# KiCad board poly_kb_molecule_4x5.kicad_pcb (continued)
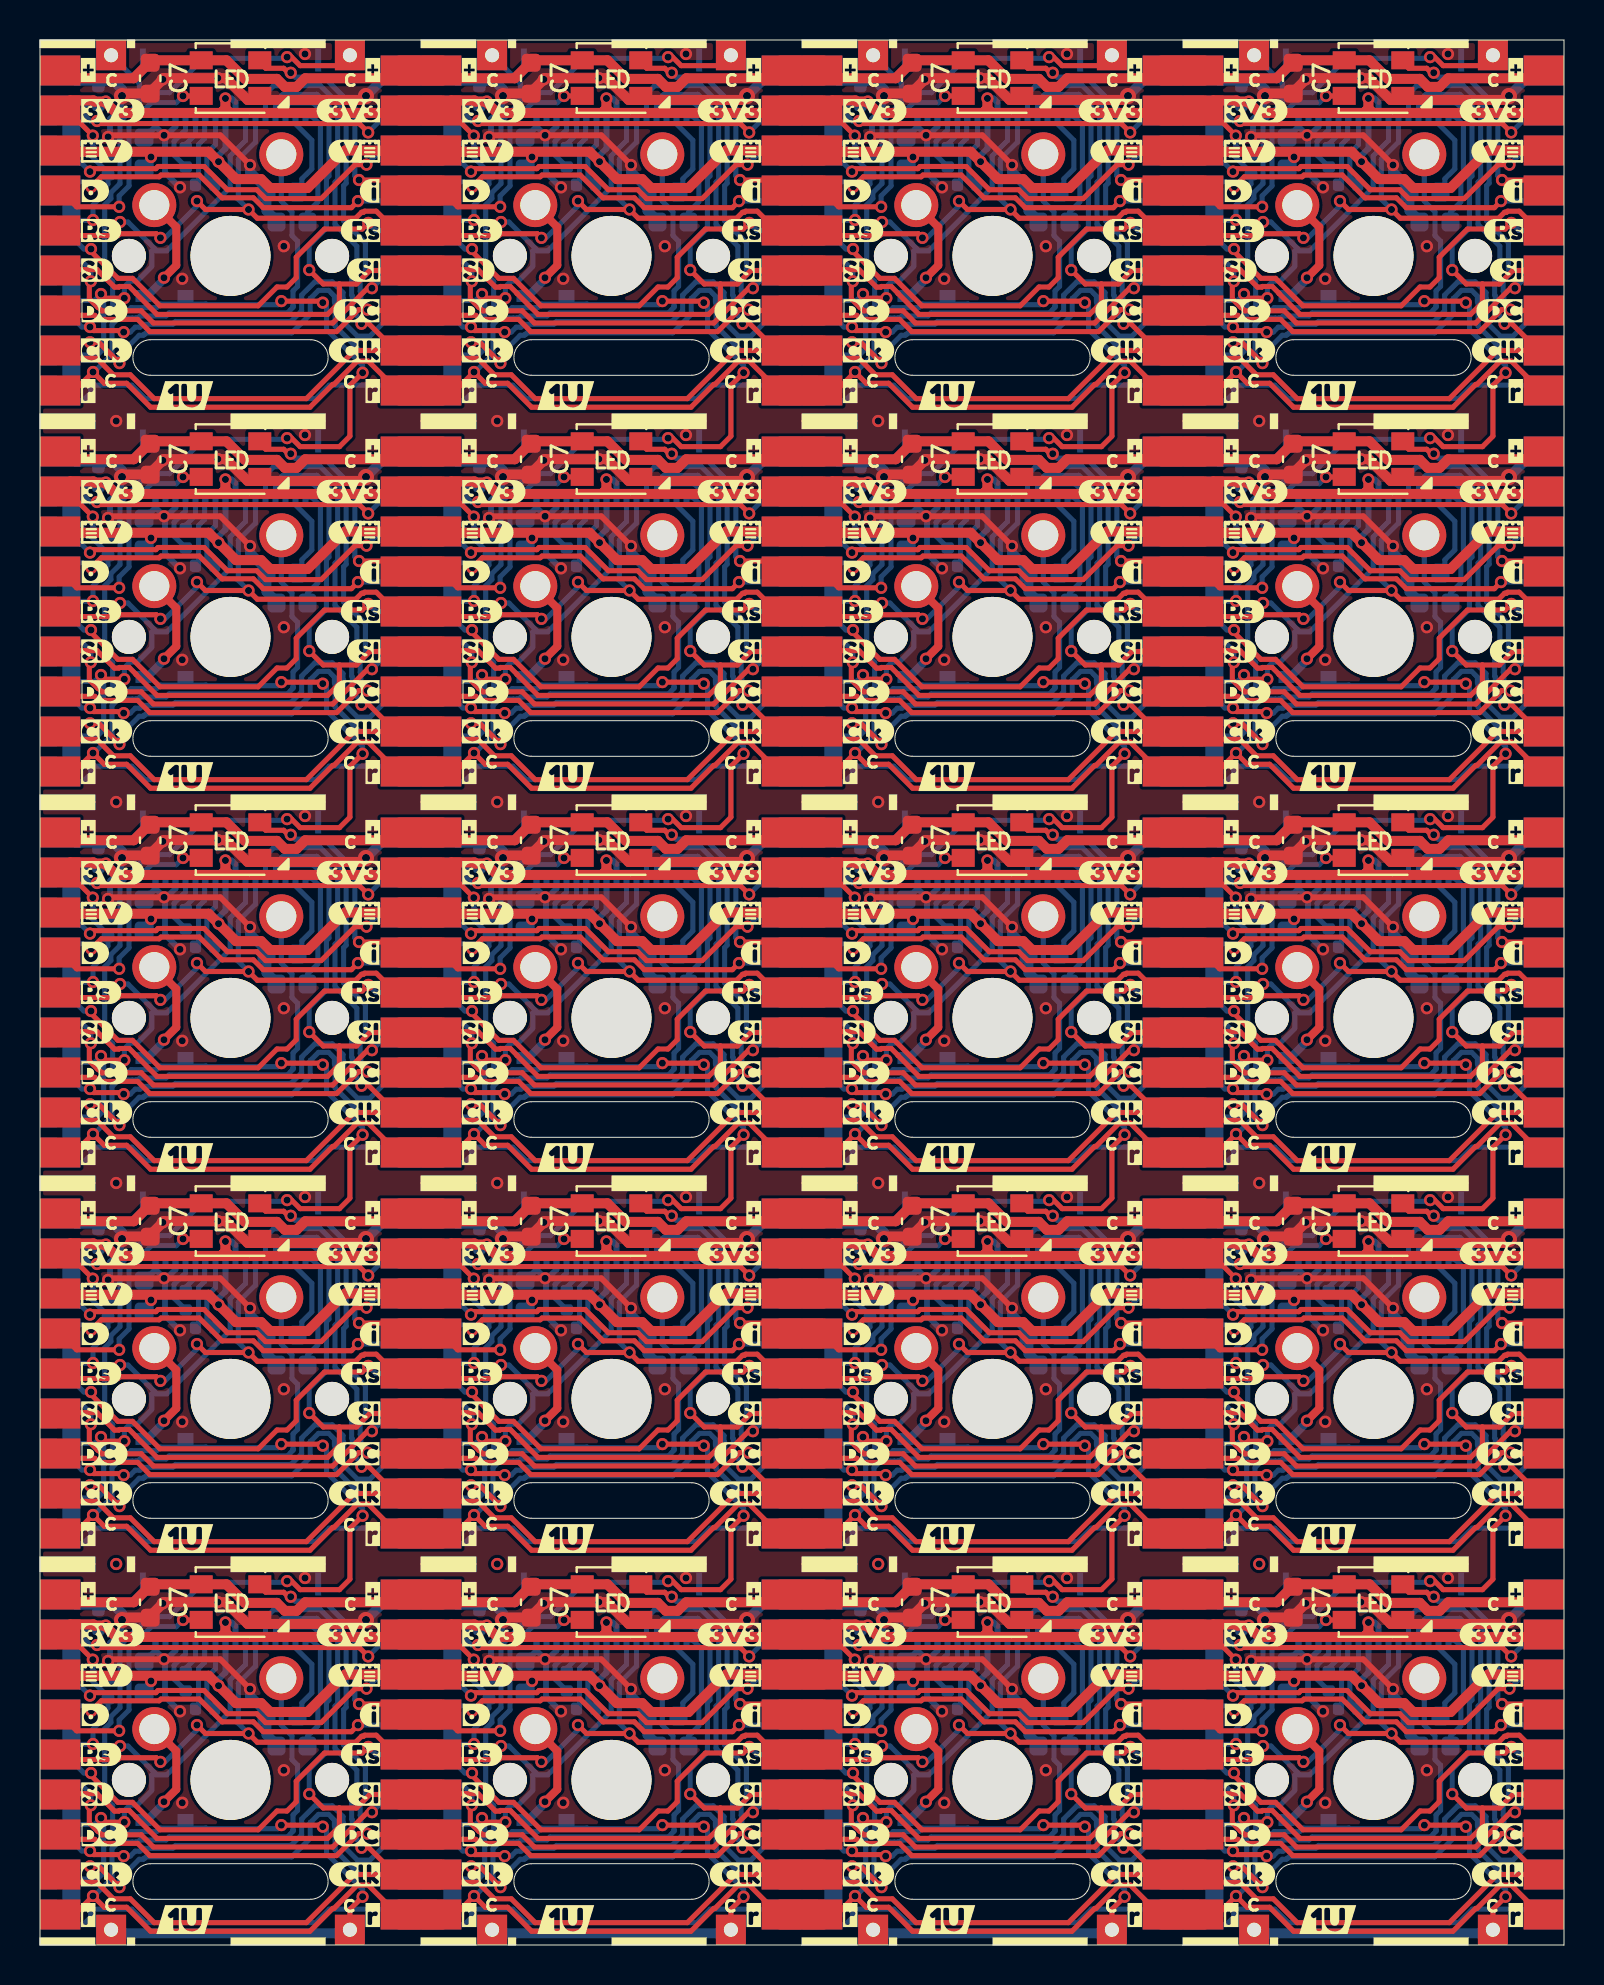
[diagram p0: board, top side]
## Routing (per net, layer and track width the routed paths; a pad name or vN(x,y) marks a point on that pad's centre or on a via; arc(x,y) is an arc through that point) (continued)
/Keyboard/sheet605ED2EB/SDIN: length 665.9
  Top w0.254: 39.37,26.58 39.41,26.62 40.95,26.62 41.82,25.74 42.04,25.74 42.08,25.78 42.56,25.78 42.9,25.44 42.9,25.43 43.95,24.38 52.48,24.38 53.07,24.97 53.07,25.9 ; 34.02,83.05 34.87,83.05 35.55,83.72 36.83,83.72 ; 34.02,83.05 33.21,83.05 v1(32.51,83.75) ; 34.02,83.05 34.02,82.12 33.43,81.53 24.9,81.53 23.85,82.58 23.85,82.59 23.51,82.93 23.03,82.93 22.99,82.89 22.77,82.89 21.9,83.77 20.36,83.77 20.32,83.72 ; 14.97,64 14.97,63.07 14.38,62.48 5.85,62.48 4.8,63.53 4.8,63.54 4.46,63.88 3.98,63.88 3.94,63.84 3.72,63.84 2.85,64.72 1.31,64.72 1.27,64.67 ; 14.97,64 15.82,64 16.5,64.67 17.78,64.67 ; 14.97,64 14.16,64 v1(13.46,64.7) ; 53.07,64 52.26,64 v1(51.56,64.7) ; 53.07,64 53.07,63.07 52.48,62.48 43.95,62.48 42.9,63.53 42.9,63.54 42.56,63.88 42.08,63.88 42.04,63.84 41.82,63.84 40.95,64.72 39.41,64.72 39.37,64.67 ; 53.07,64 53.92,64 54.6,64.67 55.88,64.67 ; 14.97,25.9 14.97,24.97 14.38,24.38 5.85,24.38 4.8,25.43 4.8,25.44 4.46,25.78 3.98,25.78 3.94,25.74 3.72,25.74 2.85,26.62 1.31,26.62 1.27,26.58 ; 14.97,25.9 14.16,25.9 v1(13.46,26.6) ; 14.97,25.9 15.82,25.9 16.5,26.58 17.78,26.58 ; 72.12,83.05 72.97,83.05 73.65,83.72 74.93,83.72 ; 72.12,83.05 71.31,83.05 v1(70.61,83.75) ; 72.12,83.05 72.12,82.12 71.53,81.53 63,81.53 61.95,82.58 61.95,82.59 61.61,82.93 61.13,82.93 61.09,82.89 60.87,82.89 60,83.77 58.46,83.77 58.42,83.72 ; 53.07,83.05 52.26,83.05 v1(51.56,83.75) ; 53.07,83.05 53.92,83.05 54.6,83.72 55.88,83.72 ; 53.07,83.05 53.07,82.12 52.48,81.53 43.95,81.53 42.9,82.58 42.9,82.59 42.56,82.93 42.08,82.93 42.04,82.89 41.82,82.89 40.95,83.77 39.41,83.77 39.37,83.72 ; v1(70.61,64.7) 71.31,64 72.12,64 ; 53.07,6.85 53.07,5.92 52.48,5.33 43.95,5.33 42.9,6.38 42.9,6.39 42.56,6.73 42.08,6.73 42.04,6.69 41.82,6.69 40.95,7.57 39.41,7.57 39.37,7.53 ; 53.07,6.85 53.92,6.85 54.6,7.53 55.88,7.53 ; 53.07,6.85 52.26,6.85 v1(51.56,7.55) ; v1(70.61,45.65) 71.31,44.95 72.12,44.95 ; 74.93,64.67 73.65,64.67 72.97,64 72.12,64 ; 53.07,25.9 53.92,25.9 54.6,26.58 55.88,26.58 ; 53.07,25.9 52.26,25.9 v1(51.56,26.6) ; 17.78,7.53 16.5,7.53 15.82,6.85 14.97,6.85 ; 72.12,44.95 72.12,44.02 71.53,43.43 63,43.43 61.95,44.48 61.95,44.49 61.61,44.83 61.13,44.83 61.09,44.79 60.87,44.79 60,45.67 58.46,45.67 58.42,45.62 ; 72.12,44.95 72.97,44.95 73.65,45.62 74.93,45.62 ; v1(32.51,64.7) 33.21,64 34.02,64 ; 36.83,45.62 35.55,45.62 34.87,44.95 34.02,44.95 ; 34.02,6.85 33.21,6.85 v1(32.51,7.55) ; 34.02,6.85 34.02,5.92 33.43,5.33 24.9,5.33 23.85,6.38 23.85,6.39 23.51,6.73 23.03,6.73 22.99,6.69 22.77,6.69 21.9,7.57 20.36,7.57 20.32,7.53 ; 34.02,6.85 34.87,6.85 35.55,7.53 36.83,7.53 ; v1(70.61,7.55) 71.31,6.85 72.12,6.85 ; 72.12,25.9 72.12,24.97 71.53,24.38 63,24.38 61.95,25.43 61.95,25.44 61.61,25.78 61.13,25.78 61.09,25.74 60.87,25.74 60,26.62 58.46,26.62 58.42,26.58 ; 72.12,25.9 72.97,25.9 73.65,26.58 74.93,26.58 ; 72.12,25.9 71.31,25.9 v1(70.61,26.6) ; 39.37,45.62 39.41,45.67 40.95,45.67 41.82,44.79 42.04,44.79 42.08,44.83 42.56,44.83 42.9,44.49 42.9,44.48 43.95,43.43 52.48,43.43 53.07,44.02 53.07,44.95 ; 14.97,6.85 14.97,5.92 14.38,5.33 5.85,5.33 4.8,6.38 4.8,6.39 4.46,6.73 3.98,6.73 3.94,6.69 3.72,6.69 2.85,7.57 1.31,7.57 1.27,7.53 ; 14.97,6.85 14.16,6.85 v1(13.46,7.55) ; 20.32,26.58 20.36,26.62 21.9,26.62 22.77,25.74 22.99,25.74 23.03,25.78 23.51,25.78 23.85,25.44 23.85,25.43 24.9,24.38 33.43,24.38 34.02,24.97 34.02,25.9 ; 34.02,64 34.87,64 35.55,64.67 36.83,64.67 ; 34.02,64 34.02,63.07 33.43,62.48 24.9,62.48 23.85,63.53 23.85,63.54 23.51,63.88 23.03,63.88 22.99,63.84 22.77,63.84 21.9,64.72 20.36,64.72 20.32,64.67 ; 53.07,44.95 52.26,44.95 v1(51.56,45.65) ; 53.07,44.95 53.92,44.95 54.6,45.62 55.88,45.62 ; 58.42,7.53 58.46,7.57 60,7.57 60.87,6.69 61.09,6.69 61.13,6.73 61.61,6.73 61.95,6.39 61.95,6.38 63,5.33 71.53,5.33 72.12,5.92 72.12,6.85 ; 34.02,25.9 34.87,25.9 35.55,26.58 36.83,26.58 ; 34.02,25.9 33.21,25.9 v1(32.51,26.6) ; 17.78,83.72 16.5,83.72 15.82,83.05 14.97,83.05 ; v1(13.46,83.75) 14.16,83.05 14.97,83.05 ; 1.27,83.72 1.31,83.77 2.85,83.77 3.72,82.89 3.94,82.89 3.98,82.93 4.46,82.93 4.8,82.59 4.8,82.58 5.85,81.53 14.38,81.53 14.97,82.12 14.97,83.05 ; 1.27,45.62 1.31,45.67 2.85,45.67 3.72,44.79 3.94,44.79 3.98,44.83 4.46,44.83 4.8,44.49 4.8,44.48 5.85,43.43 14.38,43.43 14.97,44.02 14.97,44.95 ; 72.12,6.85 72.97,6.85 73.65,7.53 74.93,7.53 ; 72.12,64 72.12,63.07 71.53,62.48 63,62.48 61.95,63.53 61.95,63.54 61.61,63.88 61.13,63.88 61.09,63.84 60.87,63.84 60,64.72 58.46,64.72 58.42,64.67 ; 34.02,44.95 33.21,44.95 v1(32.51,45.65) ; 34.02,44.95 34.02,44.02 33.43,43.43 24.9,43.43 23.85,44.48 23.85,44.49 23.51,44.83 23.03,44.83 22.99,44.79 22.77,44.79 21.9,45.67 20.36,45.67 20.32,45.62 ; 14.97,44.95 14.16,44.95 v1(13.46,45.65) ; 14.97,44.95 15.82,44.95 16.5,45.62 17.78,45.62
  Top w1.5: J3#13.6 J4#2.6 ; J3#20.6 J4#19.6 ; J4#9.6 J3#3.6 ; J3#15.6 J4#18.6 ; J4#15.6 J3#17.6 ; J4#20.6 J3#19.6 ; J4#8.6 J3#18.6 ; J4#4.6 J3#14.6 ; J3#12.6 J4#13.6 ; J3#5.6 J4#10.6 ; J4#12.6 J3#6.6 ; J4#17.6 J3#9.6 ; J4#5.6 J3#2.6 ; J4.6 J3#11.6 ; J4#16.6 J3#7.6
  Bottom w0.254: J1#17.14 69.42,72.87 69.61,73.05 70.81,73.05 71.6,72.27 71.6,69.4 71.47,69.27 71.47,66.79 70.61,65.93 v1(70.61,64.7) ; v1(13.46,26.6) 13.46,27.83 14.32,28.69 14.32,31.17 14.45,31.3 14.45,34.17 13.66,34.95 12.46,34.95 12.27,34.77 J1#5.14 ; v1(32.51,26.6) 32.51,27.83 33.37,28.69 33.37,31.17 33.5,31.3 33.5,34.17 32.71,34.95 31.51,34.95 31.33,34.77 J1#2.14 ; J1#18.14 50.38,34.77 50.56,34.95 51.76,34.95 52.55,34.17 52.55,31.3 52.42,31.17 52.42,28.69 51.56,27.83 v1(51.56,26.6) ; J1#15.14 69.42,15.72 69.61,15.9 70.81,15.9 71.6,15.12 71.6,12.25 71.47,12.12 71.47,9.64 70.61,8.78 v1(70.61,7.55) ; J1#12.14 31.33,53.82 31.51,54 32.71,54 33.5,53.22 33.5,50.35 33.37,50.22 33.37,47.74 32.51,46.88 v1(32.51,45.65) ; v1(51.56,7.55) 51.56,8.78 52.42,9.64 52.42,12.12 52.55,12.25 52.55,15.12 51.76,15.9 50.56,15.9 50.38,15.72 J1#14.14 ; v1(70.61,45.65) 70.61,46.88 71.47,47.74 71.47,50.22 71.6,50.35 71.6,53.22 70.81,54 69.61,54 69.42,53.82 J1#19.14 ; J1#16.14 31.33,72.87 31.51,73.05 32.71,73.05 33.5,72.27 33.5,69.4 33.37,69.27 33.37,66.79 32.51,65.93 v1(32.51,64.7) ; J1#4.14 50.38,72.87 50.56,73.05 51.76,73.05 52.55,72.27 52.55,69.4 52.42,69.27 52.42,66.79 51.56,65.93 v1(51.56,64.7) ; v1(32.51,83.75) 32.51,84.98 33.37,85.84 33.37,88.32 33.5,88.45 33.5,91.32 32.71,92.1 31.51,92.1 31.33,91.92 J1#13.14 ; v1(51.56,83.75) 51.56,84.98 52.42,85.84 52.42,88.32 52.55,88.45 52.55,91.32 51.76,92.1 50.56,92.1 50.38,91.92 J1#7.14 ; v1(51.56,45.65) 51.56,46.88 52.42,47.74 52.42,50.22 52.55,50.35 52.55,53.22 51.76,54 50.56,54 50.38,53.82 J1#8.14 ; J1#20.14 12.27,72.87 12.46,73.05 13.66,73.05 14.45,72.27 14.45,69.4 14.32,69.27 14.32,66.79 13.46,65.93 v1(13.46,64.7) ; v1(70.61,83.75) 70.61,84.98 71.47,85.84 71.47,88.32 71.6,88.45 71.6,91.32 70.81,92.1 69.61,92.1 69.42,91.92 J1#10.14 ; J1#9.14 31.33,15.72 31.51,15.9 32.71,15.9 33.5,15.12 33.5,12.25 33.37,12.12 33.37,9.64 32.51,8.78 v1(32.51,7.55) ; J1#3.14 69.42,34.77 69.61,34.95 70.81,34.95 71.6,34.17 71.6,31.3 71.47,31.17 71.47,28.69 70.61,27.83 v1(70.61,26.6) ; J1.14 12.27,91.92 12.46,92.1 13.66,92.1 14.45,91.32 14.45,88.45 14.32,88.32 14.32,85.84 13.46,84.98 v1(13.46,83.75) ; v1(13.46,7.55) 13.46,8.78 14.32,9.64 14.32,12.12 14.45,12.25 14.45,15.12 13.66,15.9 12.46,15.9 12.27,15.72 J1#11.14 ; v1(13.46,45.65) 13.46,46.88 14.32,47.74 14.32,50.22 14.45,50.35 14.45,53.22 13.66,54 12.46,54 12.27,53.82 J1#6.14
CS1: length 385.2
  Top w0.254: v1(21.9,91.2) 22.03,91.07 35.01,91.07 v1(35.46,90.63) ; v1(54.51,90.63) 54.06,91.07 41.08,91.07 v1(40.95,91.2) ; v1(35.46,14.43) 35.01,14.87 22.03,14.87 v1(21.9,15) ; v1(35.46,33.48) 35.01,33.92 22.03,33.92 v1(21.9,34.05) ; v1(60,34.05) 60.13,33.92 73.11,33.92 v1(73.56,33.48) ; v1(60,91.2) 60.13,91.07 73.11,91.07 v1(73.56,90.63) ; v1(35.46,71.58) 35.01,72.02 22.03,72.02 v1(21.9,72.15) ; v1(73.56,52.53) 73.11,52.97 60.13,52.97 v1(60,53.1) ; v1(2.85,53.1) 2.98,52.97 15.96,52.97 v1(16.41,52.53) ; v1(21.9,53.1) 22.03,52.97 35.01,52.97 v1(35.46,52.53) ; v1(73.56,14.43) 73.11,14.87 60.13,14.87 v1(60,15) ; v1(54.51,71.58) 54.06,72.02 41.08,72.02 v1(40.95,72.15) ; v1(16.41,14.43) 15.96,14.87 2.98,14.87 v1(2.85,15) ; v1(16.41,71.58) 15.96,72.02 2.98,72.02 v1(2.85,72.15) ; v1(54.51,52.53) 54.06,52.97 41.08,52.97 v1(40.95,53.1) ; v1(16.41,33.48) 15.96,33.92 2.98,33.92 v1(2.85,34.05) ; v1(54.51,33.48) 54.06,33.92 41.08,33.92 v1(40.95,34.05) ; v1(54.51,14.43) 54.06,14.87 41.08,14.87 v1(40.95,15) ; v1(2.85,91.2) 2.98,91.07 15.96,91.07 v1(16.41,90.63) ; v1(60,72.15) 60.13,72.02 73.11,72.02 v1(73.56,71.58)
  Bottom w0.254: v1(54.51,90.63) 55.61,91.72 55.88,91.72 ; 17.78,15.53 17.51,15.53 v1(16.41,14.43) ; 20.32,15.53 20.75,15.96 21.18,15.96 21.37,15.77 21.37,15.2 21.57,15 v1(21.9,15) ; 1.27,15.53 1.7,15.96 2.13,15.96 2.32,15.77 2.32,15.2 2.52,15 v1(2.85,15) ; v1(60,15) 59.67,15 59.47,15.2 59.47,15.77 59.28,15.96 58.85,15.96 58.42,15.53 ; v1(60,53.1) 59.67,53.1 59.47,53.3 59.47,53.87 59.28,54.06 58.85,54.06 58.42,53.62 ; 74.93,34.58 74.66,34.58 v1(73.56,33.48) ; 74.93,72.67 74.66,72.67 v1(73.56,71.58) ; 1.27,53.62 1.7,54.06 2.13,54.06 2.32,53.87 2.32,53.3 2.52,53.1 v1(2.85,53.1) ; 39.37,15.53 39.8,15.96 40.23,15.96 40.42,15.77 40.42,15.2 40.62,15 v1(40.95,15) ; 17.78,91.72 17.51,91.72 v1(16.41,90.63) ; v1(40.95,91.2) 40.62,91.2 40.42,91.4 40.42,91.97 40.23,92.16 39.8,92.16 39.37,91.72 ; 55.88,72.67 55.61,72.67 v1(54.51,71.58) ; v1(73.56,90.63) 74.66,91.72 74.93,91.72 ; v1(73.56,52.53) 74.66,53.62 74.93,53.62 ; v1(16.41,52.53) 17.51,53.62 17.78,53.62 ; v1(40.95,53.1) 40.62,53.1 40.42,53.3 40.42,53.87 40.23,54.06 39.8,54.06 39.37,53.62 ; 55.88,15.53 55.61,15.53 v1(54.51,14.43) ; v1(60,91.2) 59.67,91.2 59.47,91.4 59.47,91.97 59.28,92.16 58.85,92.16 58.42,91.72 ; v1(73.56,14.43) 74.66,15.53 74.93,15.53 ; v1(54.51,52.53) 55.61,53.62 55.88,53.62 ; 58.42,34.58 58.85,35.01 59.28,35.01 59.47,34.82 59.47,34.25 59.67,34.05 v1(60,34.05) ; v1(35.46,33.48) 36.56,34.58 36.83,34.58 ; v1(21.9,91.2) 21.57,91.2 21.37,91.4 21.37,91.97 21.18,92.16 20.75,92.16 20.32,91.72 ; v1(60,72.15) 59.67,72.15 59.47,72.35 59.47,72.92 59.28,73.11 58.85,73.11 58.42,72.67 ; v1(16.41,33.48) 17.51,34.58 17.78,34.58 ; v1(2.85,34.05) 2.52,34.05 2.32,34.25 2.32,34.82 2.13,35.01 1.7,35.01 1.27,34.58 ; v1(21.9,72.15) 21.57,72.15 21.37,72.35 21.37,72.92 21.18,73.11 20.75,73.11 20.32,72.67 ; v1(35.46,71.58) 36.56,72.67 36.83,72.67 ; v1(35.46,52.53) 36.56,53.62 36.83,53.62 ; v1(54.51,33.48) 55.61,34.58 55.88,34.58 ; 36.83,15.53 36.56,15.53 v1(35.46,14.43) ; v1(21.9,34.05) 21.57,34.05 21.37,34.25 21.37,34.82 21.18,35.01 20.75,35.01 20.32,34.58 ; 20.32,53.62 20.75,54.06 21.18,54.06 21.37,53.87 21.37,53.3 21.57,53.1 v1(21.9,53.1) ; v1(35.46,90.63) 36.56,91.72 36.83,91.72 ; 17.78,72.67 17.51,72.67 v1(16.41,71.58) ; v1(2.85,91.2) 2.52,91.2 2.32,91.4 2.32,91.97 2.13,92.16 1.7,92.16 1.27,91.72 ; 39.37,72.67 39.8,73.11 40.23,73.11 40.42,72.92 40.42,72.35 40.62,72.15 v1(40.95,72.15) ; 39.37,34.58 39.8,35.01 40.23,35.01 40.42,34.82 40.42,34.25 40.62,34.05 v1(40.95,34.05) ; v1(2.85,72.15) 2.52,72.15 2.32,72.35 2.32,72.92 2.13,73.11 1.7,73.11 1.27,72.67
  Bottom w1.5: J6#14.2 J5#6.2 ; J6#19.2 J5#20.2 ; J6#20.2 J5#10.2 ; J6#2.2 J5#18.2 ; J6#4.2 J5#5.2 ; J6#17.2 J5#19.2 ; J6.2 J5#16.2 ; J6#18.2 J5#9.2 ; J6#16.2 J5#7.2 ; J6#11.2 J5#8.2 ; J6#6.2 J5#15.2 ; J6#3.2 J5#2.2 ; J6#15.2 J5#4.2 ; J6#9.2 J5#14.2 ; J6#10.2 J5#13.2
CS2: length 377.5
  Top w0.254: v1(73.47,50.92) 72.91,50.92 71.21,49.22 68.43,49.22 67.99,49.66 66.51,49.66 65.35,50.83 63.05,50.83 62.94,50.72 59.79,50.72 v1(59.65,50.57) ; v1(59.65,12.47) 59.79,12.62 62.94,12.62 63.05,12.73 65.35,12.73 66.51,11.56 67.99,11.56 68.43,11.12 71.21,11.12 72.91,12.82 v1(73.47,12.82) ; v1(54.42,69.97) 53.86,69.97 52.16,68.27 49.38,68.27 48.94,68.71 47.46,68.71 46.3,69.88 44,69.88 43.89,69.77 40.74,69.77 v1(40.6,69.62) ; v1(35.37,89.02) 34.81,89.02 33.11,87.32 30.33,87.32 29.89,87.76 28.41,87.76 27.25,88.93 24.95,88.93 24.84,88.82 21.69,88.82 v1(21.55,88.67) ; v1(2.5,12.47) 2.64,12.62 5.79,12.62 5.9,12.73 8.2,12.73 9.36,11.56 10.84,11.56 11.28,11.12 14.06,11.12 15.76,12.82 v1(16.32,12.82) ; v1(59.65,69.62) 59.79,69.77 62.94,69.77 63.05,69.88 65.35,69.88 66.51,68.71 67.99,68.71 68.43,68.27 71.21,68.27 72.91,69.97 v1(73.47,69.97) ; v1(16.32,31.87) 15.76,31.87 14.06,30.17 11.28,30.17 10.84,30.61 9.36,30.61 8.2,31.78 5.9,31.78 5.79,31.67 2.64,31.67 v1(2.5,31.52) ; v1(73.47,31.87) 72.91,31.87 71.21,30.17 68.43,30.17 67.99,30.61 66.51,30.61 65.35,31.78 63.05,31.78 62.94,31.67 59.79,31.67 v1(59.65,31.52) ; v1(59.65,88.67) 59.79,88.82 62.94,88.82 63.05,88.93 65.35,88.93 66.51,87.76 67.99,87.76 68.43,87.32 71.21,87.32 72.91,89.02 v1(73.47,89.02) ; v1(2.5,69.62) 2.64,69.77 5.79,69.77 5.9,69.88 8.2,69.88 9.36,68.71 10.84,68.71 11.28,68.27 14.06,68.27 15.76,69.97 v1(16.32,69.97) ; v1(40.6,50.57) 40.74,50.72 43.89,50.72 44,50.83 46.3,50.83 47.46,49.66 48.94,49.66 49.38,49.22 52.16,49.22 53.86,50.92 v1(54.42,50.92) ; v1(21.55,50.57) 21.69,50.72 24.84,50.72 24.95,50.83 27.25,50.83 28.41,49.66 29.89,49.66 30.33,49.22 33.11,49.22 34.81,50.92 v1(35.37,50.92) ; v1(2.5,88.67) 2.64,88.82 5.79,88.82 5.9,88.93 8.2,88.93 9.36,87.76 10.84,87.76 11.28,87.32 14.06,87.32 15.76,89.02 v1(16.32,89.02) ; v1(35.37,69.97) 34.81,69.97 33.11,68.27 30.33,68.27 29.89,68.71 28.41,68.71 27.25,69.88 24.95,69.88 24.84,69.77 21.69,69.77 v1(21.55,69.62) ; v1(40.6,31.52) 40.74,31.67 43.89,31.67 44,31.78 46.3,31.78 47.46,30.61 48.94,30.61 49.38,30.17 52.16,30.17 53.86,31.87 v1(54.42,31.87) ; v1(40.6,12.47) 40.74,12.62 43.89,12.62 44,12.73 46.3,12.73 47.46,11.56 48.94,11.56 49.38,11.12 52.16,11.12 53.86,12.82 v1(54.42,12.82) ; v1(16.32,50.92) 15.76,50.92 14.06,49.22 11.28,49.22 10.84,49.66 9.36,49.66 8.2,50.83 5.9,50.83 5.79,50.72 2.64,50.72 v1(2.5,50.57) ; v1(21.55,12.47) 21.69,12.62 24.84,12.62 24.95,12.73 27.25,12.73 28.41,11.56 29.89,11.56 30.33,11.12 33.11,11.12 34.81,12.82 v1(35.37,12.82) ; v1(35.37,31.87) 34.81,31.87 33.11,30.17 30.33,30.17 29.89,30.61 28.41,30.61 27.25,31.78 24.95,31.78 24.84,31.67 21.69,31.67 v1(21.55,31.52) ; v1(54.42,89.02) 53.86,89.02 52.16,87.32 49.38,87.32 48.94,87.76 47.46,87.76 46.3,88.93 44,88.93 43.89,88.82 40.74,88.82 v1(40.6,88.67)
  Bottom w0.254: v1(59.65,88.67) 59.22,89.1 59.15,89.1 ; 17.78,13.53 17.03,13.53 v1(16.32,12.82) ; v1(35.37,31.87) 36.08,32.58 36.83,32.58 ; 74.93,51.62 74.18,51.62 v1(73.47,50.92) ; 55.88,89.72 55.13,89.72 v1(54.42,89.02) ; 55.88,13.53 55.13,13.53 v1(54.42,12.82) ; v1(73.47,31.87) 74.18,32.58 74.93,32.58 ; v1(21.55,50.57) 21.12,51 21.05,51 ; v1(16.32,89.02) 17.03,89.72 17.78,89.72 ; v1(21.55,69.62) 21.12,70.05 21.05,70.05 ; 36.83,89.72 36.08,89.72 v1(35.37,89.02) ; v1(2.5,50.57) 2.07,51 2,51 ; v1(73.47,12.82) 74.18,13.53 74.93,13.53 ; 21.05,89.1 21.12,89.1 v1(21.55,88.67) ; v1(40.6,12.47) 40.17,12.9 40.1,12.9 ; v1(16.32,31.87) 17.03,32.58 17.78,32.58 ; v1(54.42,31.87) 55.13,32.58 55.88,32.58 ; v1(40.6,69.62) 40.17,70.05 40.1,70.05 ; 40.1,89.1 40.17,89.1 v1(40.6,88.67) ; 21.05,12.9 21.12,12.9 v1(21.55,12.47) ; 36.83,13.53 36.08,13.53 v1(35.37,12.82) ; 40.1,31.95 40.17,31.95 v1(40.6,31.52) ; v1(59.65,31.52) 59.22,31.95 59.15,31.95 ; 55.88,51.62 55.13,51.62 v1(54.42,50.92) ; 2,12.9 2.07,12.9 v1(2.5,12.47) ; v1(73.47,89.02) 74.18,89.72 74.93,89.72 ; v1(35.37,50.92) 36.08,51.62 36.83,51.62 ; v1(2.5,31.52) 2.07,31.95 2,31.95 ; v1(2.5,88.67) 2.07,89.1 2,89.1 ; v1(59.65,12.47) 59.22,12.9 59.15,12.9 ; v1(40.6,50.57) 40.17,51 40.1,51 ; 55.88,70.67 55.13,70.67 v1(54.42,69.97) ; v1(35.37,69.97) 36.08,70.67 36.83,70.67 ; 59.15,70.05 59.22,70.05 v1(59.65,69.62) ; v1(16.32,50.92) 17.03,51.62 17.78,51.62 ; 17.78,70.67 17.03,70.67 v1(16.32,69.97) ; v1(2.5,69.62) 2.07,70.05 2,70.05 ; v1(73.47,69.97) 74.18,70.67 74.93,70.67 ; v1(21.55,31.52) 21.12,31.95 21.05,31.95 ; 59.15,51 59.22,51 v1(59.65,50.57)
  Bottom w1.5: J6#11.3 J5#8.3 ; J6#15.3 J5#4.3 ; J6#10.3 J5#13.3 ; J6#9.3 J5#14.3 ; J6#16.3 J5#7.3 ; J6#19.3 J5#20.3 ; J6#18.3 J5#9.3 ; J6.3 J5#16.3 ; J6#3.3 J5#2.3 ; J6#17.3 J5#19.3 ; J6#4.3 J5#5.3 ; J6#6.3 J5#15.3 ; J6#2.3 J5#18.3 ; J6#20.3 J5#10.3 ; J6#14.3 J5#6.3
CS3: length 400.4
  Top w0.254: v1(59.72,49.81) 60.22,50.31 63.11,50.31 63.2,50.4 65.12,50.4 66.25,49.26 67.82,49.26 68.31,48.77 72.72,48.77 v1(73.05,49.1) ; v1(59.72,87.91) 60.22,88.41 63.11,88.41 63.2,88.5 65.12,88.5 66.25,87.36 67.82,87.36 68.31,86.87 72.72,86.87 v1(73.05,87.2) ; v1(15.9,49.1) 15.57,48.77 11.16,48.77 10.67,49.26 9.1,49.26 7.97,50.4 6.05,50.4 5.96,50.31 3.07,50.31 v1(2.57,49.81) ; v1(34.95,87.2) 34.62,86.87 30.21,86.87 29.72,87.36 28.15,87.36 27.02,88.5 25.1,88.5 25.01,88.41 22.12,88.41 v1(21.62,87.91) ; v1(34.95,49.1) 34.62,48.77 30.21,48.77 29.72,49.26 28.15,49.26 27.02,50.4 25.1,50.4 25.01,50.31 22.12,50.31 v1(21.62,49.81) ; v1(15.9,68.15) 15.57,67.82 11.16,67.82 10.67,68.31 9.1,68.31 7.97,69.45 6.05,69.45 5.96,69.36 3.07,69.36 v1(2.57,68.86) ; v1(34.95,68.15) 34.62,67.82 30.21,67.82 29.72,68.31 28.15,68.31 27.02,69.45 25.1,69.45 25.01,69.36 22.12,69.36 v1(21.62,68.86) ; v1(40.67,30.76) 41.17,31.26 44.06,31.26 44.15,31.35 46.07,31.35 47.2,30.21 48.77,30.21 49.26,29.72 53.67,29.72 v1(54,30.05) ; v1(54,11) 53.67,10.67 49.26,10.67 48.77,11.16 47.2,11.16 46.07,12.3 44.15,12.3 44.06,12.21 41.17,12.21 v1(40.67,11.71) ; v1(73.05,11) 72.72,10.67 68.31,10.67 67.82,11.16 66.25,11.16 65.12,12.3 63.2,12.3 63.11,12.21 60.22,12.21 v1(59.72,11.71) ; v1(40.67,68.86) 41.17,69.36 44.06,69.36 44.15,69.45 46.07,69.45 47.2,68.31 48.77,68.31 49.26,67.82 53.67,67.82 v1(54,68.15) ; v1(73.05,30.05) 72.72,29.72 68.31,29.72 67.82,30.21 66.25,30.21 65.12,31.35 63.2,31.35 63.11,31.26 60.22,31.26 v1(59.72,30.76) ; v1(40.67,87.91) 41.17,88.41 44.06,88.41 44.15,88.5 46.07,88.5 47.2,87.36 48.77,87.36 49.26,86.87 53.67,86.87 v1(54,87.2) ; v1(34.95,30.05) 34.62,29.72 30.21,29.72 29.72,30.21 28.15,30.21 27.02,31.35 25.1,31.35 25.01,31.26 22.12,31.26 v1(21.62,30.76) ; v1(73.05,68.15) 72.72,67.82 68.31,67.82 67.82,68.31 66.25,68.31 65.12,69.45 63.2,69.45 63.11,69.36 60.22,69.36 v1(59.72,68.86) ; v1(2.57,11.71) 3.07,12.21 5.96,12.21 6.05,12.3 7.97,12.3 9.1,11.16 10.67,11.16 11.16,10.67 15.57,10.67 v1(15.9,11) ; v1(15.9,87.2) 15.57,86.87 11.16,86.87 10.67,87.36 9.1,87.36 7.97,88.5 6.05,88.5 5.96,88.41 3.07,88.41 v1(2.57,87.91) ; v1(21.62,11.71) 22.12,12.21 25.01,12.21 25.1,12.3 27.02,12.3 28.15,11.16 29.72,11.16 30.21,10.67 34.62,10.67 v1(34.95,11) ; v1(15.9,30.05) 15.57,29.72 11.16,29.72 10.67,30.21 9.1,30.21 7.97,31.35 6.05,31.35 5.96,31.26 3.07,31.26 v1(2.57,30.76) ; v1(54,49.1) 53.67,48.77 49.26,48.77 48.77,49.26 47.2,49.26 46.07,50.4 44.15,50.4 44.06,50.31 41.17,50.31 v1(40.67,49.81)
  Bottom w0.254: 74.93,68.67 74.4,68.15 v1(73.05,68.15) ; J5#5.4 20,50.05 21.18,50.05 21.43,49.81 v1(21.62,49.81) ; v1(21.62,68.86) 21.43,68.86 21.18,69.1 20,69.1 J5#10.4 ; v1(59.72,11.71) 59.53,11.71 59.28,11.95 58.1,11.95 J5#6.4 ; v1(54,49.1) 55.35,49.1 55.88,49.62 ; v1(40.67,68.86) 40.48,68.86 40.23,69.1 39.05,69.1 J5#18.4 ; v1(59.72,87.91) 59.53,87.91 59.28,88.15 58.1,88.15 J5#13.4 ; 55.88,11.53 55.35,11 v1(54,11) ; 17.78,11.53 17.25,11 v1(15.9,11) ; 36.83,30.58 36.3,30.05 v1(34.95,30.05) ; v1(54,68.15) 55.35,68.15 55.88,68.67 ; v1(40.67,30.76) 40.48,30.76 40.23,31 39.05,31 J5#20.4 ; v1(15.9,30.05) 17.25,30.05 17.78,30.58 ; v1(2.57,49.81) 2.38,49.81 2.13,50.05 0.95,50.05 J5#17.4 ; v1(2.57,11.71) 2.38,11.71 2.13,11.95 0.95,11.95 J5#11.4 ; v1(40.67,87.91) 40.48,87.91 40.23,88.15 39.05,88.15 J5#2.4 ; J5#7.4 58.1,69.1 59.28,69.1 59.53,68.86 v1(59.72,68.86) ; 74.93,87.72 74.4,87.2 v1(73.05,87.2) ; v1(2.57,68.86) 2.38,68.86 2.13,69.1 0.95,69.1 J5#12.4 ; 17.78,68.67 17.25,68.15 v1(15.9,68.15) ; 17.78,87.72 17.25,87.2 v1(15.9,87.2) ; 36.83,49.62 36.3,49.1 v1(34.95,49.1) ; 36.83,87.72 36.3,87.2 v1(34.95,87.2) ; 74.93,49.62 74.4,49.1 v1(73.05,49.1) ; v1(54,87.2) 55.35,87.2 55.88,87.72 ; v1(21.62,30.76) 21.43,30.76 21.18,31 20,31 J5#15.4 ; J5#4.4 58.1,31 59.28,31 59.53,30.76 v1(59.72,30.76) ; 17.78,49.62 17.25,49.1 v1(15.9,49.1) ; v1(2.57,30.76) 2.38,30.76 2.13,31 0.95,31 J5#3.4 ; v1(21.62,87.91) 21.43,87.91 21.18,88.15 20,88.15 J5#16.4 ; v1(59.72,49.81) 59.53,49.81 59.28,50.05 58.1,50.05 J5#14.4 ; v1(34.95,11) 36.3,11 36.83,11.53 ; v1(40.67,49.81) 40.48,49.81 40.23,50.05 39.05,50.05 J5#8.4 ; v1(34.95,68.15) 36.3,68.15 36.83,68.67 ; v1(54,30.05) 55.35,30.05 55.88,30.58 ; J5#9.4 20,11.95 21.18,11.95 21.43,11.71 v1(21.62,11.71) ; 74.93,11.53 74.4,11 v1(73.05,11) ; v1(2.57,87.91) 2.38,87.91 2.13,88.15 0.95,88.15 J5.4 ; v1(40.67,11.71) 40.48,11.71 40.23,11.95 39.05,11.95 J5#19.4 ; 74.93,30.58 74.4,30.05 v1(73.05,30.05)
  Bottom w0.3: 39.9,11.99 39.87,12.03 ; 1.8,88.19 1.77,88.22 ; 39.9,50.09 39.87,50.12 ; 20.85,69.14 20.82,69.17 ; 1.8,31.04 1.77,31.08 ; 39.9,31.04 39.87,31.08 ; 1.8,50.09 1.77,50.12 ; 58.95,11.99 58.92,12.03 ; 20.85,11.99 20.82,12.03 ; 20.85,88.19 20.82,88.22 ; 58.95,50.09 58.92,50.12 ; 20.85,31.04 20.82,31.08 ; 1.8,11.99 1.77,12.03 ; 20.85,50.09 20.82,50.12 ; 39.9,88.19 39.87,88.22 ; 39.9,69.14 39.87,69.17 ; 58.95,88.19 58.92,88.22 ; 1.8,69.14 1.77,69.17 ; 58.95,69.14 58.92,69.17 ; 58.95,31.04 58.92,31.08
  Bottom w1.5: J6#4.4 J5#5.4 ; J6#14.4 J5#6.4 ; J6#20.4 J5#10.4 ; J6#2.4 J5#18.4 ; J6#15.4 J5#4.4 ; J6#16.4 J5#7.4 ; J6#17.4 J5#19.4 ; J6#3.4 J5#2.4 ; J6#18.4 J5#9.4 ; J6#6.4 J5#15.4 ; J6#19.4 J5#20.4 ; J6#11.4 J5#8.4 ; J6#10.4 J5#13.4 ; J6#9.4 J5#14.4 ; J6.4 J5#16.4
CS4: length 435.3
  Top w0.254: v1(73.56,67.05) 73.26,66.75 71.37,66.75 69.96,65.34 69.96,64.31 69.5,63.85 69,63.85 68.06,62.91 63.15,62.91 61.78,64.28 61.04,64.28 59.7,65.63 v1(59.7,65.75) ; v1(21.6,8.6) 21.6,8.48 22.94,7.13 23.68,7.13 25.05,5.76 29.96,5.76 30.9,6.7 31.4,6.7 31.86,7.16 31.86,8.19 33.27,9.6 35.16,9.6 v1(35.46,9.9) ; v1(59.7,46.7) 59.7,46.58 61.04,45.23 61.78,45.23 63.15,43.86 68.06,43.86 69,44.8 69.5,44.8 69.96,45.26 69.96,46.29 71.37,47.7 73.26,47.7 v1(73.56,48) ; v1(54.51,48) 54.21,47.7 52.32,47.7 50.91,46.29 50.91,45.26 50.45,44.8 49.95,44.8 49.01,43.86 44.1,43.86 42.73,45.23 41.99,45.23 40.65,46.58 v1(40.65,46.7) ; v1(73.56,28.95) 73.26,28.65 71.37,28.65 69.96,27.24 69.96,26.21 69.5,25.75 69,25.75 68.06,24.81 63.15,24.81 61.78,26.18 61.04,26.18 59.7,27.53 v1(59.7,27.65) ; v1(40.65,27.65) 40.65,27.53 41.99,26.18 42.73,26.18 44.1,24.81 49.01,24.81 49.95,25.75 50.45,25.75 50.91,26.21 50.91,27.24 52.32,28.65 54.21,28.65 v1(54.51,28.95) ; v1(35.46,28.95) 35.16,28.65 33.27,28.65 31.86,27.24 31.86,26.21 31.4,25.75 30.9,25.75 29.96,24.81 25.05,24.81 23.68,26.18 22.94,26.18 21.6,27.53 v1(21.6,27.65) ; v1(21.6,65.75) 21.6,65.63 22.94,64.28 23.68,64.28 25.05,62.91 29.96,62.91 30.9,63.85 31.4,63.85 31.86,64.31 31.86,65.34 33.27,66.75 35.16,66.75 v1(35.46,67.05) ; v1(2.55,65.75) 2.55,65.63 3.89,64.28 4.63,64.28 6,62.91 10.91,62.91 11.85,63.85 12.35,63.85 12.81,64.31 12.81,65.34 14.22,66.75 16.11,66.75 v1(16.41,67.05) ; v1(35.46,86.1) 35.16,85.8 33.27,85.8 31.86,84.39 31.86,83.36 31.4,82.9 30.9,82.9 29.96,81.96 25.05,81.96 23.68,83.33 22.94,83.33 21.6,84.68 v1(21.6,84.8) ; v1(16.41,9.9) 16.11,9.6 14.22,9.6 12.81,8.19 12.81,7.16 12.35,6.7 11.85,6.7 10.91,5.76 6,5.76 4.63,7.13 3.89,7.13 2.55,8.48 v1(2.55,8.6) ; v1(16.41,28.95) 16.11,28.65 14.22,28.65 12.81,27.24 12.81,26.21 12.35,25.75 11.85,25.75 10.91,24.81 6,24.81 4.63,26.18 3.89,26.18 2.55,27.53 v1(2.55,27.65) ; v1(59.7,84.8) 59.7,84.68 61.04,83.33 61.78,83.33 63.15,81.96 68.06,81.96 69,82.9 69.5,82.9 69.96,83.36 69.96,84.39 71.37,85.8 73.26,85.8 v1(73.56,86.1) ; v1(40.65,65.75) 40.65,65.63 41.99,64.28 42.73,64.28 44.1,62.91 49.01,62.91 49.95,63.85 50.45,63.85 50.91,64.31 50.91,65.34 52.32,66.75 54.21,66.75 v1(54.51,67.05) ; v1(73.56,9.9) 73.26,9.6 71.37,9.6 69.96,8.19 69.96,7.16 69.5,6.7 69,6.7 68.06,5.76 63.15,5.76 61.78,7.13 61.04,7.13 59.7,8.48 v1(59.7,8.6) ; v1(54.51,9.9) 54.21,9.6 52.32,9.6 50.91,8.19 50.91,7.16 50.45,6.7 49.95,6.7 49.01,5.76 44.1,5.76 42.73,7.13 41.99,7.13 40.65,8.48 v1(40.65,8.6) ; v1(35.46,48) 35.16,47.7 33.27,47.7 31.86,46.29 31.86,45.26 31.4,44.8 30.9,44.8 29.96,43.86 25.05,43.86 23.68,45.23 22.94,45.23 21.6,46.58 v1(21.6,46.7) ; v1(2.55,84.8) 2.55,84.68 3.89,83.33 4.63,83.33 6,81.96 10.91,81.96 11.85,82.9 12.35,82.9 12.81,83.36 12.81,84.39 14.22,85.8 16.11,85.8 v1(16.41,86.1) ; v1(2.55,46.7) 2.55,46.58 3.89,45.23 4.63,45.23 6,43.86 10.91,43.86 11.85,44.8 12.35,44.8 12.81,45.26 12.81,46.29 14.22,47.7 16.11,47.7 v1(16.41,48) ; v1(54.51,86.1) 54.21,85.8 52.32,85.8 50.91,84.39 50.91,83.36 50.45,82.9 49.95,82.9 49.01,81.96 44.1,81.96 42.73,83.33 41.99,83.33 40.65,84.68 v1(40.65,84.8)
  Bottom w0.254: v1(54.51,86.1) 54.89,85.72 55.88,85.72 ; v1(40.65,84.8) 40.3,84.8 39.37,85.72 ; v1(54.51,9.9) 54.89,9.53 55.88,9.53 ; 20.32,85.72 21.24,84.8 v1(21.6,84.8) ; 55.88,47.62 54.89,47.62 v1(54.51,48) ; 20.32,28.58 21.24,27.65 v1(21.6,27.65) ; 74.93,9.53 73.94,9.53 v1(73.56,9.9) ; v1(35.46,9.9) 35.84,9.53 36.83,9.53 ; 1.27,9.53 2.2,8.6 v1(2.55,8.6) ; v1(73.56,48) 73.94,47.62 74.93,47.62 ; 1.27,85.72 2.2,84.8 v1(2.55,84.8) ; 1.27,66.67 2.2,65.75 v1(2.55,65.75) ; 58.42,85.72 59.34,84.8 v1(59.7,84.8) ; 1.27,47.62 2.2,46.7 v1(2.55,46.7) ; v1(73.56,86.1) 73.94,85.72 74.93,85.72 ; 36.83,85.72 35.84,85.72 v1(35.46,86.1) ; 17.78,47.62 16.79,47.62 v1(16.41,48) ; v1(35.46,28.95) 35.84,28.58 36.83,28.58 ; v1(59.7,46.7) 59.34,46.7 58.42,47.62 ; 55.88,66.67 54.89,66.67 v1(54.51,67.05) ; v1(2.55,27.65) 2.2,27.65 1.27,28.58 ; v1(59.7,65.75) 59.34,65.75 58.42,66.67 ; 36.83,66.67 35.84,66.67 v1(35.46,67.05) ; 20.32,9.53 21.24,8.6 v1(21.6,8.6) ; 17.78,66.67 16.79,66.67 v1(16.41,67.05) ; 58.42,28.58 59.34,27.65 v1(59.7,27.65) ; v1(21.6,65.75) 21.24,65.75 20.32,66.67 ; v1(16.41,28.95) 16.79,28.58 17.78,28.58 ; 39.37,66.67 40.3,65.75 v1(40.65,65.75) ; 74.93,66.67 73.94,66.67 v1(73.56,67.05) ; 39.37,47.62 40.3,46.7 v1(40.65,46.7) ; 39.37,9.53 40.3,8.6 v1(40.65,8.6) ; 17.78,85.72 16.79,85.72 v1(16.41,86.1) ; v1(35.46,48) 35.84,47.62 36.83,47.62 ; v1(54.51,28.95) 54.89,28.58 55.88,28.58 ; 39.37,28.58 40.3,27.65 v1(40.65,27.65) ; 74.93,28.58 73.94,28.58 v1(73.56,28.95) ; v1(59.7,8.6) 59.34,8.6 58.42,9.53 ; 20.32,47.62 21.24,46.7 v1(21.6,46.7) ; v1(16.41,9.9) 16.79,9.53 17.78,9.53